# Altium PCB PDB_Mother_v1.1_PCB.PcbDoc (part 2 of 3) (continued)
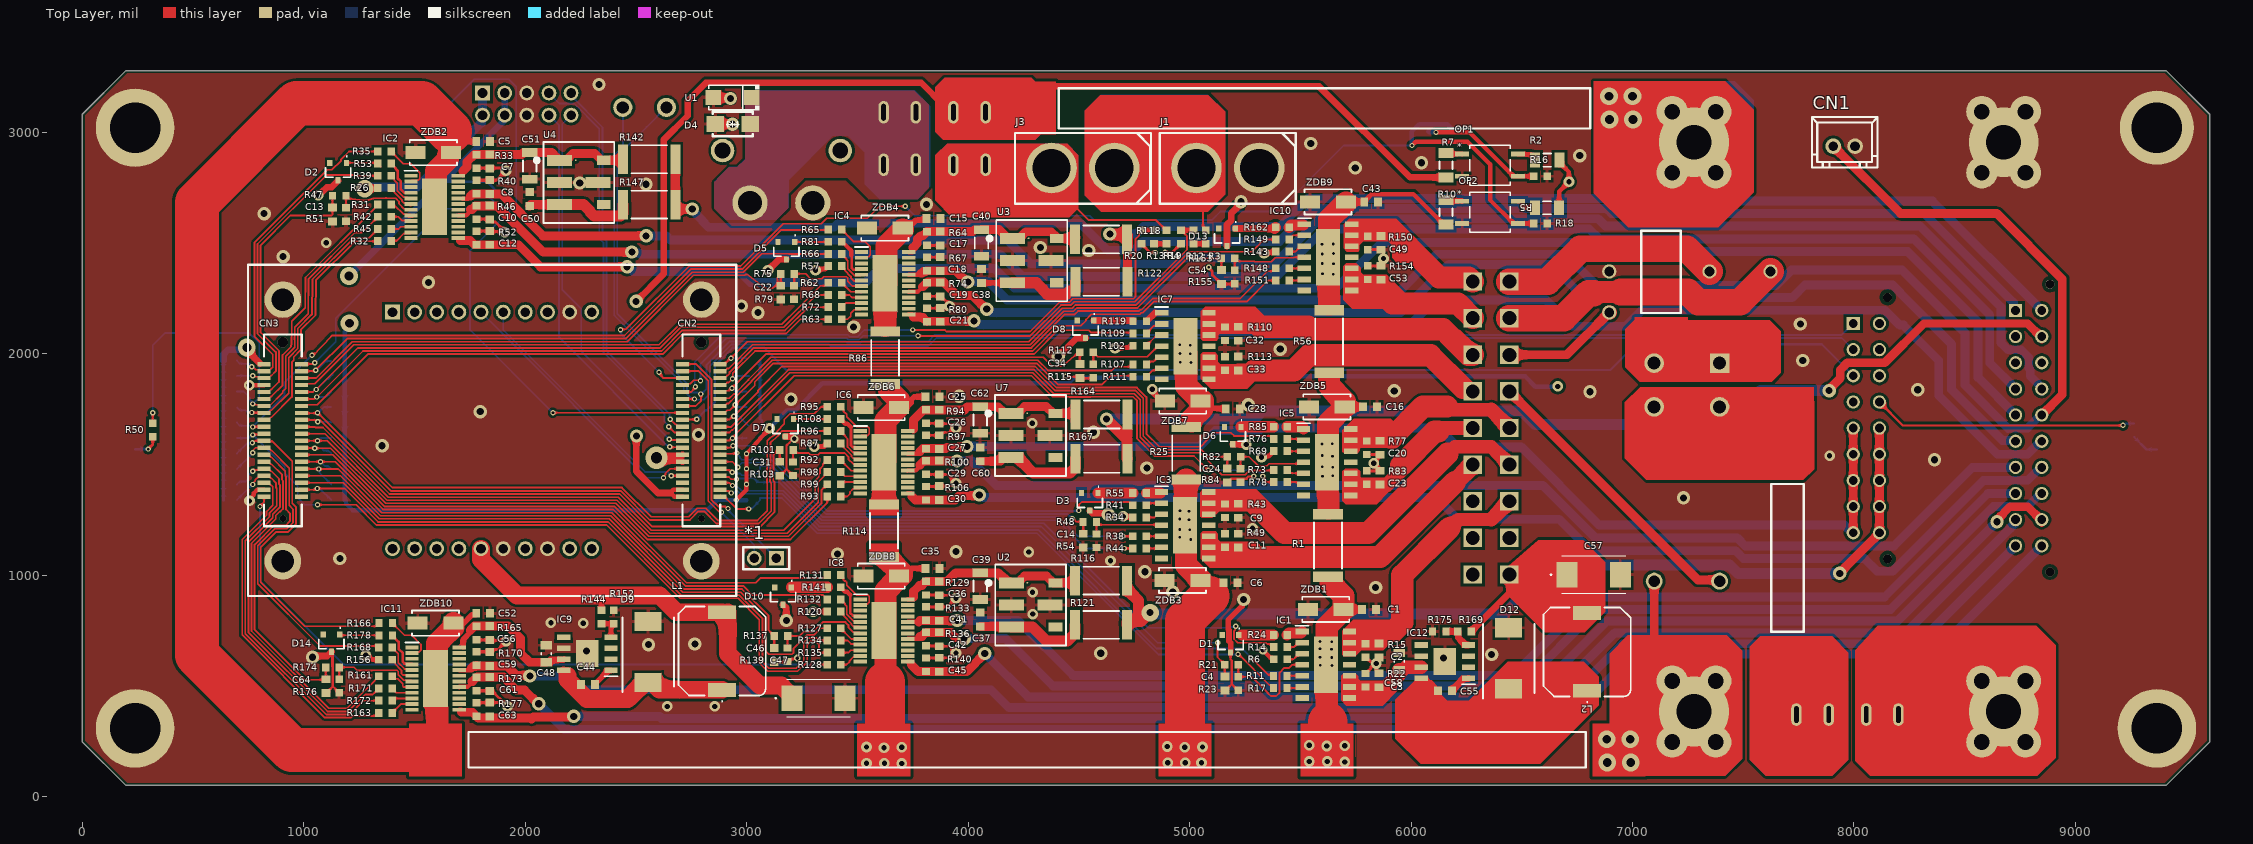
[diagram p0: Top Layer view]
## Nets (pads, with @x,y where several pads share a name; then routed paths per layer and width w, separated by ;. In a path a pad name is that pad's centre, name@x,y a point inside that pad or via, vN(x,y) a via of type N, cw(c..) or ccw(c..) an arc to the next point about the centre after c; other vN are vias at no path point) (continued)
GLVMS-2: C15.1 IC4.25 R86.2 ZDB4.2 | length 635.3
  Top Layer w25: ZDB4.2@3704.92,2560.28 ZDB4.2@3720.67,2560.28 ; ZDB4.2@3737.69,2590.47 3737.69,2577.3 ZDB4.2@3720.67,2560.28 ; C15.1@3812.71,2610.28 3812.71,2608.31 3807.5,2603.09 3763.48,2603.09 ZDB4.2@3720.67,2560.28
  Top Layer w100: 3625,2125 3625,2310 3631.5,2316.5 3631.5,2486.85 ZDB4.2@3704.92,2560.28
GLVMS_OFF: CN2.3 LED2.2 OP2.3 R18.2 | length 5439.3
  Top Layer w8: v1@2429.41,2108 v1(2430.09,2108) 2431.98,2109.89 2454.09,2109.89 2740.2,2396 2973.63,2396 3164.68,2587.06 3337.3,2587.06 3362.05,2611.8 3545.5,2611.8 3599.7,2666 v1(3716,2666)
  Top Layer w10: v1(2604.13,1916) 2604.13,1912.21 2616.7,1899.65 2616.7,1897.45 2623.77,1890.38 2709.62,1890.38 CN2.3@2710.24,1889.76
  Top Layer w20: v1(6004,2940) 6021,2957 6255,2957 6357,2855 6357,2693.94 6462.5,2588.44 OP2.3@6483,2588.44 6483.22,2588.22 6553.27,2588.22 R18.2@6553.49,2588
  Bottom Layer w8: v1(2430.09,2108) 2433.15,2104.94 2433.15,2086.98 v1(2604.13,1916) ; v1(3716,2666) 3759,2623 4548.37,2623 4567.37,2604 5101.63,2604 5139.63,2642 5399,2642 5697,2940 v1(6004,2940)
  Bottom Layer w20: v1(6004,2940) 6004,3002.78 6036.89,3035.67 6163.95,3035.67 LED2.2@6195.14,3004.48
GND: C1.2 C2.1 C3.1 C4.1 C5.2 C6.2 C7.1 C8.1 C9.1 C10.1 C11.1 C12.1 C13.1 C14.1 C15.2 C16.2 C17.1 C18.1 C19.1 C20.1 C21.1 C22.1 C23.1 C24.1 C25.2 C26.1 C27.1 C28.2 C29.1 C30.1 C31.1 C32.1 C33.1 C34.1 C35.2 C36.1 C37.1 C38.1 C39.1 C40.1 C41.1 C42.1 C43.2 C45.1 C46.1 C47.2 C48.1 C49.1 C50.1 C51.1 C52.2 C53.1 C54.1 C56.1 C57.2 C58.1 C59.1 C60.1 C61.1 C62.1 C63.1 C64.1 CN1.2 CN3.4 CN3.19 D1.3 D2.3 D3.3 D4.2 D5.3 D6.3 D7.3 D8.3 D9.2 D10.3 D12.2 D13.3 D14.3 GND1.1 GND1.2 GND1.3 GND1.4 IC9.6 IC9.9 IC12.6 IC12.9 IC13.9 IC13.16 IC13.18 J1.- J2.1 K2.2 LED1.1 LED2.1 OP1.2 OP2.2 pad.8 pad.15 pad.16 pad.17 pad.18 R15.1 R16.1 R18.1 R19.2 R20.2 R22.1 R23.1 R33.1 R40.1 R43.1 R46.1 R49.1 R51.1 R52.1 R54.1 R64.1 R67.1 R74.1 R77.1 R79.1 R80.1 R83.1 R84.1 R94.1 R97.1 R100.1 R103.1 R106.1 R110.1 R113.1 R115.1 R129.1 R133.1 R136.1 R139.1 R140.1 R150.1 R152.1 R154.1 R155.1 R165.1 R170.1 R173.1 R175.1 R176.1 R177.1 RST1.2 RST2.2 RST3.2 U1.2 U2.2 U2.5 U3.2 U3.5 U4.2 U4.5 U5.5 U5.6 U7.2 U7.5 ZDB1.1 ZDB2.1 ZDB3.1 ZDB4.1 ZDB5.1 ZDB6.1 ZDB7.1 ZDB8.1 ZDB9.1 ZDB10.1 | length 6421.4
  Top Layer w10: C64.1@1100,467.02 1101.97,467.02 1114.69,479.73 1114.69,480.13 1131.28,496.72 ; 1130.57,586.89 1130.57,552.39 1130.69,552.28 1130.69,507.73 1130.57,507.62 1130.57,497.43 1147.28,480.72 1147.28,479.73 1159.02,468 R176.1@1160,468 ; v3@1902.99,415.27 v3@1912.73,415.27 ; C46.1@3124.21,607.28 R139.1@3181.73,607.28 ; C31.1@3149.21,1448.78 3151.18,1448.78 3179.89,1477.5 ; C22.1@3154.21,2243.78 C22.1@3156.18,2243.78 ; R139.1@3184.21,609.76 R139.1@3181.73,607.28 ; R103.1@3208.22,1439.57 3208.22,1449.76 3180.49,1477.5 3179.89,1477.5 ; R79.1@3213.22,2244.76 R79.1@3214.21,2244.76 ; v12(3215,1615) 3210.11,1615 3192.23,1597.13 3191.57,1597.13 3179.89,1585.45 3179.89,1477.5 ; v13(3228.51,625.49) 3223.1,625.49 3219.11,621.5 3195.94,621.5 R139.1@3181.73,607.28 ; R136.1@3809.21,680.28 3867.71,680.28 C42.1@3869.21,678.78 3914.22,678.78 v3(3945,648) 3936.07,648 3914.56,626.5 C45.1@3870,626.5 3869.02,625.51 R140.1@3810,625.51 ; R133.1@3809.21,856.3 3868.74,856.3 C41.1@3869.21,856.77 3906.77,856.77 v3(3945,895) 3934.72,895 3920.94,908.78 C36.1@3869.21,908.78 3867.71,910.28 R129.1@3809.21,910.28 ; R106.1@3809.21,1400.28 3867.71,1400.28 C30.1@3869.21,1401.77 3921.49,1401.77 3934.72,1415 v3(3945,1415) 3906.22,1453.78 C29.1@3869.21,1453.78 3868.22,1454.76 R100.1@3809.21,1454.76 ; R97.1@3809.21,1631.3 3868.74,1631.3 C27.1@3869.21,1631.77 3881.93,1644.49 3914.21,1644.49 v3@3934.72,1665 ; R94.1@3809.21,1685.28 3867.71,1685.28 C26.1@3869.21,1683.78 3915.94,1683.78 v3@3934.72,1665 ; R80.1@3814.21,2205.28 3872.71,2205.28 C21.1@3874.21,2206.77 3908.89,2206.77 v3(3915.94,2213.81) 3914.39,2219.42 ccw(c3904.75,2216.77) 3913.18,2222.15 3906.54,2232.56 ccw(c3893.89,2224.49) 3902.35,2236.88 3888.89,2246.06 C19.1@3874.21,2258.78 3873.74,2259.25 R74.1@3814.21,2259.25 ; R67.1@3814.21,2435.79 3873.22,2435.79 C18.1@3874.21,2436.77 ; R64.1@3814.21,2489.76 3815.19,2488.78 C17.1@3874.21,2488.78 C17.1@3873.61,2489.38 ; v3(3945,1665) v3@3934.72,1665 ; v1(4440,1897.78) 4490.31,1894.9 4500.72,1892.79 4505,1888.5 R115.1@4564.02,1888.5 ; C4.1@5160,478.5 5161.97,478.5 5190.69,507.22 ; D1.3@5185,650.63 5185,618.98 5190.69,613.3 5190.69,507.22 ; R23.1@5220,479.49 5219.02,479.49 5191.28,507.22 5190.69,507.22 ; R83.1@5800,1470.51 5859.02,1470.51 C23.1@5860,1471.5 5860,1476 v3(5831,1505) 5831,1505.92 5855.56,1530.48 5855.56,1541.03 5859.02,1544.49 R77.1@5800,1544.49 ; R154.1@5804.21,2396.02 5863.22,2396.02 5875.68,2408.48 v3(5875.68,2429.32) ; R150.1@5804.21,2470 5863.22,2470 C49.1@5864.21,2469.02 ; C49.1@5864.37,2468.85 5875.68,2457.54 5875.68,2434.68 v3@5873,2432
  Top Layer w12: D14.3@1130,653.63 1130,587.68 1130.69,587 ; R177.1@1780,423.51 1780.49,424 1839.51,424 C63.1@1840,424.5 1893.77,424.5 1902.99,415.27 1910.26,408 v3(1920,408) ; R173.1@1780,477.49 1850.52,477.49 v3@1912.73,415.27 ; R170.1@1780,653.51 1840,653.51 1851.2,664.72 1876.72,664.72 v3(1914,702) 1911.75,704.25 1848.78,704.25 1844.39,708.64 1843,707.25 1780.75,707.25 R165.1@1780,708 ; R52.1@1780,2553.51 C12.1@1840.98,2553.51 ; R46.1@1780,2607.49 C10.1@1840,2607.49 ; R40.1@1780,2783 1870,2783 v3(1913,2826) 1903.26,2826 1891.26,2838 R33.1@1780,2838 ; C12.1@1840,2554.5 1843.25,2551.25 1904.75,2551.25 v3(1908,2548) ; C10.1@1840,2606.5 1851.72,2594.79 1864.78,2594.79 v3@1911.57,2548 ; R20.2@4783,2495.49 4783.98,2495.49 4822.18,2457.3 4842.7,2457.3 v1(4845,2455) ; v1(4889,2457.27) 4921.28,2457.27 4960.02,2496 R19.2@4961,2496 ; v1(5086.86,2390) 5086.86,2386.75 5103,2370.61 5103,2355.23 C54.1@5144.21,2314.02 5203.22,2314.02 R155.1@5204.21,2315 ; C24.1@5170,1417.99 5171.97,1417.99 5189.69,1435.71 5241.29,1435.71 ; R84.1@5230,1418.98 5230.56,1418.98 5241.29,1429.71 5241.29,1435.71 ; v1(5289.92,1446.8) 5287.62,1444.51 5265.72,1444.51 5256.93,1435.71 5241.29,1435.71 ; R22.1@5795,555.51 5795.98,555.51 5817.31,576.84 5817.31,581.67 5828.06,592.42 5838.58,592.42 v3@5843,588 ; R15.1@5795,629.49 5795.98,629.49 5817.58,607.89 5826.37,607.89 5836.5,597.76 v3@5836.5,594.5 ; v3(5843,601) v3@5836.5,594.5 ; C3.1@5855,556.5 5854.72,556.5 5843,568.21 v3@5843,588 ; v3@5836.5,594.5 v3@5843,588
  Top Layer w20: v3(753.94,1856.89) 755.16,1858.11 820.32,1858.11 CN3.4@820.47,1858.27 ; v3(755,1335) 755,1342.58 774.94,1362.52 774.94,1370.8 784.32,1380.17 785.37,1380.17 790.87,1385.67 820.32,1385.67 CN3.19@820.47,1385.83
  Top Layer w25: v3(4832,1839.39) 4836.4,1834.98 4836.4,1823.14 4858.19,1801.35 ZDB7.1@4867.9,1801.35 ; D1.3@5185,650.63 5185,695.22 5177.91,702.31 5177.91,750.81 5173.57,755.15 5173.57,796.57 5237.3,860.3 5237.3,883.3 v2(5244,890)
  Top Layer w30: v2(1039,629) 1044.74,634.74 1106.11,634.74 D14.3@1125,653.63 ; v3(1065.13,2715.36) 1082.96,2730.62 1104.06,2751.72 1125.67,2751.72 D2.3@1154.99,2781.04 ; v3(3096,2376) 3145.91,2425.91 D5.3@3179.21,2425.91 ; D10.3@3164.21,865.91 3179,851.11 v2(3179,795) ; D7.3@3174.21,1625.91 v12@3202.47,1625.91 ; v2(4407,1987) 4490.63,2070.63 D8.3@4530,2070.63 ; D3.3@4549.21,1291.14 4560.61,1279.74 4627.47,1279.74 v2(4633.21,1274) ; D13.3@5169.21,2486.14 5169.21,2582.77 5188.58,2602.14 5188.58,2634.46 5232,2677.88 v2(5232,2686) ; D6.3@5195,1590.63 5255.37,1590.63 v3(5256,1590) ; J1.-@5276.51,2800.49 J1.-@5314.46,2838.44
  Top Layer w40: U1.2@2848.68,3157 2851.18,3154.5 2924.5,3154.5 v2(2927,3152) ; D4.2@2858.26,3037 2858.76,3036.5 2935.87,3036.5 v2(2936.37,3036)
  Top Layer w50: ZDB5.1@5523.54,1760 ZDB5.1@5539.29,1760
  other v2: 6147,626 6364,641 4599,647 2277,658 2557,686 2766,689 4924.08,923.92 5840,944 4798,1015 1163,1075 3410,1095 3945,1106 7230,1349 4807,1484 8364,1521 1354,1584 2782.79,1634 4566,1645 1797,1738 5265.25,1768.76 3199.61,1794.39 3960,1808 6808,1828 5924,1832 8288,1837 7769,1969 5409.49,2020.49 3483.14,2120.72 7758,2134 3051,2185 2977,2215 1563,2322 907,2438 4544.53,2465.77 4326,2479 821,2632 3812,2674 2545,2765 2246,2770.82 5748,2839 6047.36,2862.02 6762,2894 5547,2949 2333,3215
  other v3: 2641,407 2856,407 2262,783 2116,785 4292,824 4291,923 4643,1065 4274.27,1104.27 5284,1211 7890,1538.5 4290,1686 1101,2501
  other v5: 8676,2954.8
H1_24V_Backup: C9.2 HIGH1.4 IC3.12 IC3.13 IC3.14 R43.2 | length 1411.8
  Top Layer w60: 6165,1548 6197.16,1580.16 6362.66,1580.16 6432.66,1510.16 HIGH1.4@6444,1498.82
  Top Layer w100: 5286.5,1332.5 5429.01,1190 5807,1190 6165,1548
H1_24V_Backup_EN: CN2.28 R37.2 R41.2 | length 2013.3
  Top Layer w8: CN2.28@2880.31,1574.8 2924.47,1574.8 2933.67,1584 v1(2938,1584) ; v1(4500,1292) 4500,1317.31 4512.69,1330 4726.28,1330 4727.05,1329.23 4730.96,1329.23 4743.7,1316.5 R41.2@4743.7,1315.51
  Bottom Layer w8: v1(2938,1584) 3039.68,1584 3046.3,1577.38 3047.28,1577.38 3060.02,1564.65 R37.2@3060.02,1563.67 ; R37.2@3069.8,1552.9 3072.75,1549.95 3102.85,1549.95 3362.8,1290 4498,1290 v1(4500,1292)
H1_current_IN10: C4.2 CN2.23 R21.2 | length 2730.7
  Top Layer w8: CN2.23@2862.61,1416.62 2921.84,1416.62 2933.87,1404.6 v1(2936.09,1404.6) ; v1(5126.97,694) 5126.03,693.06 5126.03,628.93 5158.98,595.98 5158.98,542.52 C4.2@5160,541.5
  Bottom Layer w8: v1(2936.09,1404.6) 2939.15,1401.54 2956.17,1401.54 2976.85,1380.86 3165.94,1380.86 3326.8,1220 4329.02,1220 4855.02,694 v1(5126.97,694)
H1_select: CN2.22 R11.2 | length 2853.6
  Top Layer w8: CN2.22@2880.31,1385.83 2886.16,1379.98 2917.58,1379.98 2926.56,1371 v1(2930.89,1371) ; v1(5279,626) 5354.93,550.07 5373.91,550.07 R11.2@5378.98,545
  Bottom Layer w8: v1(2930.89,1371) 2933.95,1374.06 2947.31,1374.06 2952.26,1379.02 2958.89,1379.02 2971.05,1366.86 3160.14,1366.86 3323,1204 4315.8,1204 4851.8,668 5237,668 v1(5279,626)
H2_24V_Backup: C20.2 HIGH1.5 IC5.12 IC5.13 IC5.14 R77.2 | length 633.3
  Top Layer w60: 6168.99,1754 6176.94,1746.05 6362.12,1746.05
  Top Layer w65: 6362.12,1746.05 HIGH1.5@6444,1664.17 ; HIGH1.5@6437.1,1666.87 6440.81,1666.87 HIGH1.5@6447.68,1660
  Top Layer w100: 5912.83,1619.83 6054,1761 6161.99,1761
H2_24V_Backup_EN: CN2.32 R71.2 R76.2 | length 2973.7
  Top Layer w8: CN2.32@2880.31,1700.79 2881.7,1702.17 2921.89,1702.17 2936.71,1717 v1(2941,1717) 3051.42,1827.42 3051.42,1834.65 3158.77,1942 4303.4,1942 4398.4,1847 4475.16,1847 4475.37,1846.79 4534.63,1846.79 4534.84,1847 4761.81,1847 4762.02,1846.79 4805,1803.81 4805,1639 4864,1580 5046.08,1580 5049.4,1580 5051.87,1582.47 5098.54,1631.27 cw(c5126,1605) 5101.65,1634.18 5112.21,1643 5186.65,1643 5200.93,1628.72 5367.27,1628.72 5380,1615.98 R76.2@5380,1615
  Bottom Layer w8: v1(2941,1717) 2965,1717 R71.2@3007.96,1674.04
H2_current_IN11: C14.2 CN2.27 R48.2 | length 1842.8
  Top Layer w8: CN2.27@2880.85,1549.15 2891,1539 2901,1539 2901,1544.31 2905.13,1548.43 2952.94,1548.43 v1(2956,1551.49) ; v1(4470,1255) 4474.33,1255 4488.82,1240.51 R48.2@4518.7,1240.51 4519.21,1240 C14.2@4519.21,1187.01
  Bottom Layer w8: v1(2956,1551.49) 2956,1547.16 2970.38,1532.79 2970.38,1528.58 2978.12,1520.84 3019.87,1520.84 3025.72,1526.7 3033.28,1526.7 3039.14,1520.84 3080.89,1520.84 3081.05,1521 3112,1521 3357,1276 4449,1276 v1(4470,1255)
H2_select: CN2.26 R38.2 | length 2019.3
  Top Layer w8: CN2.26@2880.31,1511.81 2935.94,1511.81 v1(2960.26,1487.49) ; v1(4698.11,1175.51) R38.2@4743.7,1175.51
  Bottom Layer w8: v1(2960.26,1487.49) 2960.26,1488.42 2978.68,1506.84 3099.36,1506.84 3344.2,1262 4408,1262 4494.49,1175.51 v1(4698.11,1175.51)
H3_24V_Backup: C49.2 HIGH1.18 IC10.12 IC10.13 IC10.14 R150.2 | length 384
  Top Layer w100: 5968.1,2502.9 6127,2344 6260.24,2344 HIGH1.18@6278.65,2325.59
H3_24V_Backup_EN: CN2.40 R146.2 R149.2 | length 2813.8
  Top Layer w8: CN2.40@2880.31,1952.76 2900,1952.76 2926.43,1979.18 v1(2928.82,1979.18) ; v1@2932,1979.18 2932,1983.37 3002.63,2054 4274,2054 4425.33,2205.33 4469.84,2205.33 4484.58,2220.07 4758.49,2220.07 4998.42,2460 5281.44,2460 5336.96,2515.51 R149.2@5388.19,2515.51
  Bottom Layer w8: v1(2928.82,1979.18) 2997.83,1979.18 R146.2@3001.06,1975.96
H3_current_IN12: C24.2 CN2.31 R82.2 | length 2702.8
  Top Layer w8: CN2.31@2880.31,1669.29 2930.06,1669.29 3188.77,1928 4297.6,1928 4392.6,1833 4469.36,1833 4469.57,1832.79 4540.43,1832.79 4540.64,1833 4756.01,1833 4791,1798.01 4791,1628 4853,1566 5052.8,1566 5084.31,1534.49 5156.76,1534.49 5157.27,1533.98 R82.2@5160,1533.98 ; C24.2@5170,1480.98 R82.2@5170,1533.98
H3_select: CN2.30 R73.2 | length 2913.2
  Top Layer w8: CN2.30@2880.31,1637.8 2886.16,1643.64 2920.87,1643.64 2932.52,1655.29 2935.86,1655.29 3194.57,1914 4291.8,1914 4386.8,1819 4463.56,1819 4463.78,1818.79 4546.22,1818.79 4546.44,1819 4750.21,1819 4777,1792.21 4777,1622.2 4847.2,1552 5047,1552 5145.73,1453.27 5251.86,1453.27 5271.39,1472.8 5377.29,1472.8 R73.2@5379.49,1475
H4_current_IN13: C34.2 CN2.35 R112.2 | length 1792.1
  Top Layer w8: CN2.35@2880.31,1795.28 2883.45,1798.41 2921.84,1798.41 2941.43,1818 2944.77,1818 3008.21,1881.44 3008.21,1883.44 3108.77,1984 4340,1984 4378.66,1945.34 4403.11,1943.17 ccw(c4407,1987) 4434.93,1953 4491.52,1999.52 4491.76,1999.52 4504.49,2004.02 4504.49,1952.01 C34.2@4505,1951.5
H4_select: CN2.34 R107.2 | length 1982.4
  Top Layer w8: CN2.34@2880.31,1763.78 2900,1763.78 2911.65,1775.43 2918.66,1775.43 2947.23,1804 2950.57,1804 3022.21,1875.65 3022.21,1877.65 3114.57,1970 4315,1970 4361.22,1923.78 4647.88,1923.78 4665.39,1941.28 4731.76,1941.28 R107.2@4744.49,1954.02
H5_current_IN1: C54.2 CN2.39 R153.2 | length 2528
  Top Layer w8: CN2.39@2880.31,1921.26 2900,1921.26 2911.65,1932.91 2919.32,1932.91 3026.4,2040 4279.8,2040 4431.13,2191.33 4475.64,2191.33 4490.38,2206.07 4764.29,2206.07 4988.73,2430.51 R153.2@5143.7,2430.51 5143.7,2377.52 C54.2@5144.21,2377.01
H5_select: CN2.38 R148.2 | length 2717.5
  Top Layer w8: CN2.38@2880.31,1889.76 2900,1889.76 2911.65,1901.42 2913.98,1901.42 2922.83,1910.26 2922.83,1916.63 3032.2,2026 4285.6,2026 4436.93,2177.33 4481.44,2177.33 4496.18,2192.07 4770.09,2192.07 4776.5,2198.49 4782.69,2198.49 4833.2,2249 5229,2249 5351.8,2371.8 5375.45,2371.8 5388.19,2384.53 R148.2@5388.19,2385.51
IIC1_SCL_PB8: *1.2 CN2.2 | length 1027.4
  Top Layer w8: CN2.2@2710.24,1921.26 2783.6,1921.26 2826.79,1878.07 2826.79,1374.11 2826.79,1334.55 2874.27,1287.06 2882.94,1287.06 v1(2886,1284)
  Bottom Layer w8: v1(2886,1284) 3034,1136 *1.2@3034,1076
IIC1_SDA_PB9: *1.1 CN2.1 | length 1109
  Top Layer w8: CN2.1@2710.24,1952.76 2771.9,1952.76 2840.79,1883.87 2840.79,1368.32 2840.79,1340.35 2871.13,1310 2901.9,1310 2911.39,1300.51 v1(2915.72,1300.51)
  Bottom Layer w8: v1(2915.72,1300.51) 2918.78,1297.45 2918.78,1291.22 *1.1@3134,1076
IL+_PWR: C53.2 HIGH1.17 IC10.8 IC10.9 IC10.10 R154.2 | length 390.5
  Top Layer w100: 5915.8,2227 6211.88,2227 HIGH1.17@6278.65,2160.23
IL+_PWR_EN: CN2.37 R145.2 R151.2 | length 2799
  Top Layer w8: CN2.37@2880.31,1858.27 2900,1858.27 2911.65,1869.92 2919.14,1869.92 2936.05,1886.83 v1(2936.17,1886.83) ; v1@2936,1887 2936.83,1887.83 2936.83,1910.83 3038,2012 4291.4,2012 4404.99,2125.59 4508.55,2125.59 4532.46,2149.5 4532.46,2154.16 4556.37,2178.07 4775.88,2178.07 4782.3,2184.49 4788.49,2184.49 4839,2235 5257.47,2235 5352.98,2330.51 R151.2@5388.19,2330.51
  Bottom Layer w8: v1(2936.17,1886.83) 2937.17,1886.83 2948.85,1898.51 R145.2@3010.55,1898.51
L1_5V_Backup: LOW1.1 R142.2 R147.2 | length 6655.6
  Top Layer w40: R142.2@2678.11,2878 R147.2@2678.11,2673 2678.11,2655.64 2680.75,2653 v2(2754,2653)
  Bottom Layer w40: v2(2754,2653) 2754,2647.59 2799.33,2602.25 2799.33,2599.34 2827.62,2571.06 3394.3,2571.06 3412.25,2589 4506.15,2589 4628.15,2467 4749,2467 4789,2507 5406,2507 5554,2655 6883,2655 6905,2633 8318,2633 8720.08,2230.92 8720.08,2205.09 LOW1.1@8730,2195.17
L1_5V_Backup_a: C7.2 C51.2 IC2.24 R33.2 R142.1 U4.1 U4.6 | length 798.5
  Top Layer w20: IC2.24@1717.58,2804.61 1717.58,2823.49
  Top Layer w40: 1717.58,2823.49 1736.28,2842.19 1736.28,2865.5 1769.81,2899.02 R33.2@1780,2899.02 1983.83,2899.02 C51.2@1992.53,2907.72 ; C51.2@2020,2908.04 2119.96,2908.04 U4.1@2155,2873 2186.89,2873 2197.75,2883.86 2197.75,2886.08 2215.29,2903.62 2313.75,2903.62 U4.6@2344.37,2873 ; U4.6@2354.8,2873 2439.25,2873 2441.89,2875.64 R142.1@2441.89,2878
L1_5V_Backup_EN: CN3.2 R30.2 R35.2 | length 1517.2
  Top Layer w8: v1(764.69,1940.69) 769.02,1940.69 782.62,1927.1 794.94,1927.1 800.79,1921.26 CN3.2@820.47,1921.26 840.16,1921.26 851.81,1932.91 854.14,1932.91 860,1938.77 860,1996 777,2079 777,2500.76 1106.24,2830 1127,2830 1168.46,2871.46 1168.46,2877.54 1203.93,2913 R35.2@1334.49,2913
  Bottom Layer w8: R30.2@698.51,1968.5 698.51,1967.52 711.24,1954.79 750.88,1954.79 764.69,1940.98 v1(764.69,1940.69)
L1_24V_Backup: C18.2 CN1.1 IC4.20 LOW1.15 R67.2 | length 7743.5
  Top Layer w20: IC4.20@3731.54,2356.41 3787.56,2356.41
  Top Layer w40: 3787.56,2363.01 3791.89,2363.01 3799.06,2370.18 3808.64,2370.18 R67.2@3812.73,2374.27 ; R67.2@3814.21,2374.27 3944.45,2374.27 3994.72,2324 v2(3998.58,2324) ; CN1.1@7906.42,2936.97 8210.25,2633.14 8644.21,2633.14 8940.94,2336.41 8940.94,1815.57 LOW1.15@8848.11,1722.73
  Bottom Layer w38: 8696.98,1662 8698.79,1663.81 8784.11,1663.81 8843.03,1722.73 LOW1.15@8848.11,1722.73
  Bottom Layer w40: v2(3998.58,2324) 4000.13,2325.55 4092.71,2325.55 4176.26,2242 5908,2242 6115,2449 6695,2449 6836,2308 7648.67,2308 7717.67,2377 8218,2377 8502,2093 8502,1856.98 8696.98,1662
L1_24V_Backup_EN: CN3.39 R60.2 R66.2 | length 2684
  Top Layer w8: CN3.39@990.55,1921.26 1050.09,1921.26 1050.09,1922.32 1195.77,2068 2454.03,2068 2754.03,2368 2985.23,2368 3068.13,2450.91 3189.56,2450.91 3190.19,2450.28 R66.2@3368.7,2450.28
  Bottom Layer w8: v1(1054.07,1925.24) 1058.4,1925.24 1099.44,1966.28 R60.2@1122.68,1966.28
L1_current_IN3: C13.2 CN3.5 R47.2 | length 1201.8
  Top Layer w8: CN3.5@820.47,1826.77 840.16,1826.77 851.81,1838.43 854.14,1838.43 888,1872.28 888,2012.66 805,2095.66 805,2489.17 940.05,2624.22 1124.8,2624.22 1129.49,2628.91 C13.2@1129.49,2657 ; R47.2@1129.49,2713 1129.49,2660.01 C13.2@1130,2659.5
L1_select0: CN3.6 R31.2 | length 1099.5
  Top Layer w8: CN3.6@820.47,1795.28 840.16,1795.28 851.81,1806.93 854.14,1806.93 904.2,1856.99 904.2,1993.84 942.79,2032.43 944.71,2045.38 ccw(c905.51,2051.18) 945.08,2053.2 944.44,2065.8 cw(c1040.32,2070.68) 945.13,2083.19 945.13,2146.99 1003.86,2205.73 1006.17,2208.03 1007.83,2343.83 1321.24,2657.24 1321.24,2659.28 R31.2@1332.96,2671
L1_select1: CN3.9 R32.2 | length 1072.1
  Top Layer w8: CN3.9@840.16,1700.79 851.81,1712.44 854.14,1712.44 946.2,1804.5 946.2,1961.92 954.64,1970.36 954.64,1984.88 987.13,2017.37 987.13,2107.73 1050.55,2171.15 1052.85,2173.45 1054.83,2330.83 1232,2508 R32.2@1333.98,2508
L2_5V_Backup: LOW1.12 R164.2 R167.2 | length 4830.4
  Top Layer w25: LOW1.12@8838.3,2067.25 LOW1.12@8848.11,2057.44
  Top Layer w38: v2(7888,1833) 7888,1838.95 7937.97,1888.92 7937.97,1926.97 7969.87,1958.87 8139.14,1958.87 8316.25,2135.98 8784.11,2135.98 LOW1.12@8843.03,2077.06
  Top Layer w40: 4720.43,1625.28 R164.2@4720.43,1725.28
  Top Layer w50: v2(4625,1705) 4718.07,1611.93 4718.07,1527.64 R167.2@4720.43,1525.28
  Bottom Layer w50: v2(4625,1705) 5237.09,1705 5238.33,1703.76 5292.18,1703.76 5328.94,1740.52 6499.83,1740.52 6559.64,1680.71 7426.12,1680.71 7578.41,1833 v2(7888,1833)
L2_5V_Backup_EN: CN3.33 R91.2 R95.2 | length 3088.5
  Top Layer w8: CN3.33@990.55,1731 1064.5,1731 1400.5,1395 2436.59,1395 2568.59,1263 2737.67,1263 2776.33,1301.65 2814.22,1301.65 2868.88,1247 3049,1247 3093,1291 3093,1413.85 3091.52,1415.32 3091.52,1482.24 3093,1483.71 3093,1607.1 3105.89,1619.99 3124.13,1632.09 ccw(c3103.12,1663.75) 3138.4,1649.63 3170,1684.1 3170,1702.77 3195.66,1728.43 3305.47,1728.43 3337.04,1760 R95.2@3363.98,1760
  Bottom Layer w8: v1(1062,1733.5) 1065.18,1733.5 1090.22,1758.53 R91.2@1123.49,1758.53
L2_5V_Backupa_a: C26.2 C62.2 IC6.24 R94.2 R164.1 U7.1 U7.6 | length 872.6
  Top Layer w6: IC6.24@3726.77,1650.75 3747.93,1650.75 3753.79,1656.61 3753.79,1659.86 3753.95,1660.02
  Top Layer w40: 3753.95,1660.02 3753.95,1701.24 3799.01,1746.3 R94.2@3809.21,1746.3 3983.15,1746.3 3996.85,1760 4053.89,1760 C62.2@4054.21,1760.31 4134.28,1760.31 4157.71,1736.88 4157.71,1734.88 4162.32,1730.28 U7.1@4194.21,1730.28 4226.1,1730.28 4236.96,1741.14 4236.96,1743.36 4254.5,1760.9 4352.96,1760.9 4383.58,1730.28 U7.6@4394.01,1730.28 4481.57,1730.28 4484.21,1727.64 R164.1@4484.21,1725.28
L2_current_IN4: C22.2 CN3.38 R75.2 | length 2475
  Top Layer w8: CN3.38@990.55,1889.76 1055.36,1889.76 1219.6,2054 2459.83,2054 2759.83,2354 2991.03,2354 2994.96,2357.93 3001.59,2357.93 3078.41,2300.55 ccw(c3101.15,2331) 3138.15,2339.66 3140.96,2354 R75.2@3153.7,2360.28 ; C22.2@3154.21,2306.77 R75.2@3154.21,2359.29
L2_select0: CN3.37 R62.2 | length 2569.8
  Top Layer w8: CN3.37@990.55,1858.27 996.31,1864.03 1049.43,1864.03 1225.4,2040 2604,2040 2697,2133 3158.29,2133 3232.95,2206 3333.23,2306.28 3356.24,2306.28 3368.98,2319.02 R62.2@3368.98,2320
L2_select1: CN3.34 R63.2 | length 2540.5
  Top Layer w8: CN3.34@990.55,1763.78 996.39,1769.62 1060.39,1769.62 1288.77,1998 2621.4,1998 2714.4,2091 3179,2091 3243,2155 R63.2@3368.98,2155
L3_5V_Backup: LOW1.11 R118.2 R122.2 | length 4780.8
  Top Layer w25: R122.2@4723.11,2320 R122.2@4723.11,2325
  Top Layer w40: R122.2@4720.11,2325 R118.2@4720.11,2483.18
  Top Layer w50: v2(4640,2540) 4641.91,2538.09 4715.75,2538.09 4720.11,2533.72 R118.2@4720.11,2483.18
  Bottom Layer w40: v2(4640,2540) 4756.95,2540 4790.95,2574 5407.95,2574 5534.95,2701 6916.74,2701 6928.74,2689 8354.28,2689 LOW1.11@8848.11,2195.17
L3_5V_Backup_a: C17.2 C40.2 IC4.24 R64.2 R118.1 U3.1 U3.6 | length 870.1
  Top Layer w20: IC4.24@3731.54,2458.77 3750.42,2458.77 3751.56,2459.91 3751.56,2478.79
  Top Layer w40: 3751.56,2478.79 3770.49,2497.72 3770.49,2517.27 3785.72,2532.5 3795.92,2532.5 R64.2@3814.21,2550.79 4019.79,2550.79 4028.76,2559.76 4059.69,2559.76 C40.2@4060,2560.08 4140.07,2560.08 4163.5,2536.65 4163.5,2524.61 4168.11,2520 U3.1@4200,2520 4231.89,2520 4242.75,2530.86 4242.75,2533.08 4260.29,2550.62 4374.18,2550.62 U3.6@4399.8,2525 ; U3.6@4399.8,2520 4481.89,2520 R118.1@4486.89,2525
L3_5V_Backup_EN: CN3.10 R61.2 R65.2 | length 3134.8
  Top Layer w8: v1(770,1669) 770.15,1669.15 820.33,1669.15 CN3.10@820.47,1669.29 ; v1(1036.9,1992.08) 1039.42,1989.56 1039.54,1989.56 1123.31,2077.31 1128,2082 2448.23,2082 2748.23,2382 2979.43,2382 3156.23,2558.8 3366.73,2558.8 R65.2@3368.2,2560.28
  Bottom Layer w8: R61.2@698.51,1688.54 698.51,1687.55 711.24,1674.82 759.85,1674.82 765.67,1669 v1(770,1669) 912.5,1811.5 912.5,1868.52 1036.07,1992.08 v1(1036.9,1992.08)
L3_current_IN5: C31.2 CN3.31 R101.2 | length 2701.9
  Top Layer w8: CN3.31@990.55,1669.29 1049.99,1669.29 1052.67,1666.62 1086.59,1666.62 1387.2,1366 2425.99,1366 2572.99,1219 3060.6,1219 3125.24,1283.65 3125.24,1421.2 3119.52,1426.92 3119.52,1470.64 3121,1472.11 3121,1544.56 3141.71,1565.28 R101.2@3148.7,1565.28 3149.21,1564.76 C31.2@3149.21,1511.77
L3_select0: CN3.30 R92.2 | length 2756.3
  Top Layer w8: CN3.30@990.55,1637.8 1095.61,1637.8 1381.4,1352 2420.19,1352 2569.19,1203 3168,1203 3309.24,1344.24 3309.24,1426.31 3325.71,1442.77 3325.71,1455.02 3331.36,1460.71 3331.36,1480.98 3343.1,1492.72 3343.1,1499.13 3350.26,1506.28 3351.24,1506.28 3363.98,1519.02 R92.2@3363.98,1520
L3_select1: CN3.27 R93.2 | length 2628.6
  Top Layer w8: CN3.27@990.55,1543.31 1130.7,1543.31 1364.01,1310 2402.79,1310 2551.79,1161 3198,1161 3363.98,1326.98 R93.2@3363.98,1355
L4_5V_Backup: LOW2.14 LOW2.15 LOW2.16 LOW2.17 LOW2.18 R116.2 R121.2 | length 4227
  Top Layer w40: v2(7936,1008) 7936,1010.15 8115,1189.15 LOW2.17@8115,1309.4 LOW2.16@8115,1427.51 LOW2.15@8115,1545.62 LOW2.14@8115,1663.73
  Top Layer w50: R121.2@4718.11,775 4718.11,788.9 4720.47,791.26 4780.26,791.26 4819.23,830.23 v8(4821.82,830.23) ; R116.2@4720.47,933.07 4768.74,884.8 4768.74,814.26
  Bottom Layer w50: v8(4821.82,830.23) 4827.05,825 6420.63,825 6641.61,1045.98 7438.02,1045.98 7476,1008 v2(7936,1008)
L4_5V_Backup_a: C36.2 C39.2 IC8.24 R116.1 R129.2 U2.1 U2.6 | length 884.2
  Top Layer w20: IC8.24@3726.77,890.75 3745.65,890.75 3753.45,898.55 3753.45,900.02
  Top Layer w40: 3753.45,900.02 3753.45,925.74 3780.72,953.01 3790.92,953.01 R129.2@3809.21,971.3 3905.02,971.3 3943.76,1010.04 C39.2@4055,1010.04 4135.07,1010.04 4158.5,986.61 4158.5,969.61 4163.11,965 U2.1@4195,965 4226.89,965 4237.75,975.86 4237.75,978.08 4255.29,995.62 4353.75,995.62 4384.37,965 U2.6@4394.8,965 4479.25,965 4481.89,967.64 R116.1@4481.89,975